# Altium PCB IF GAIN.PcbDoc (continued)
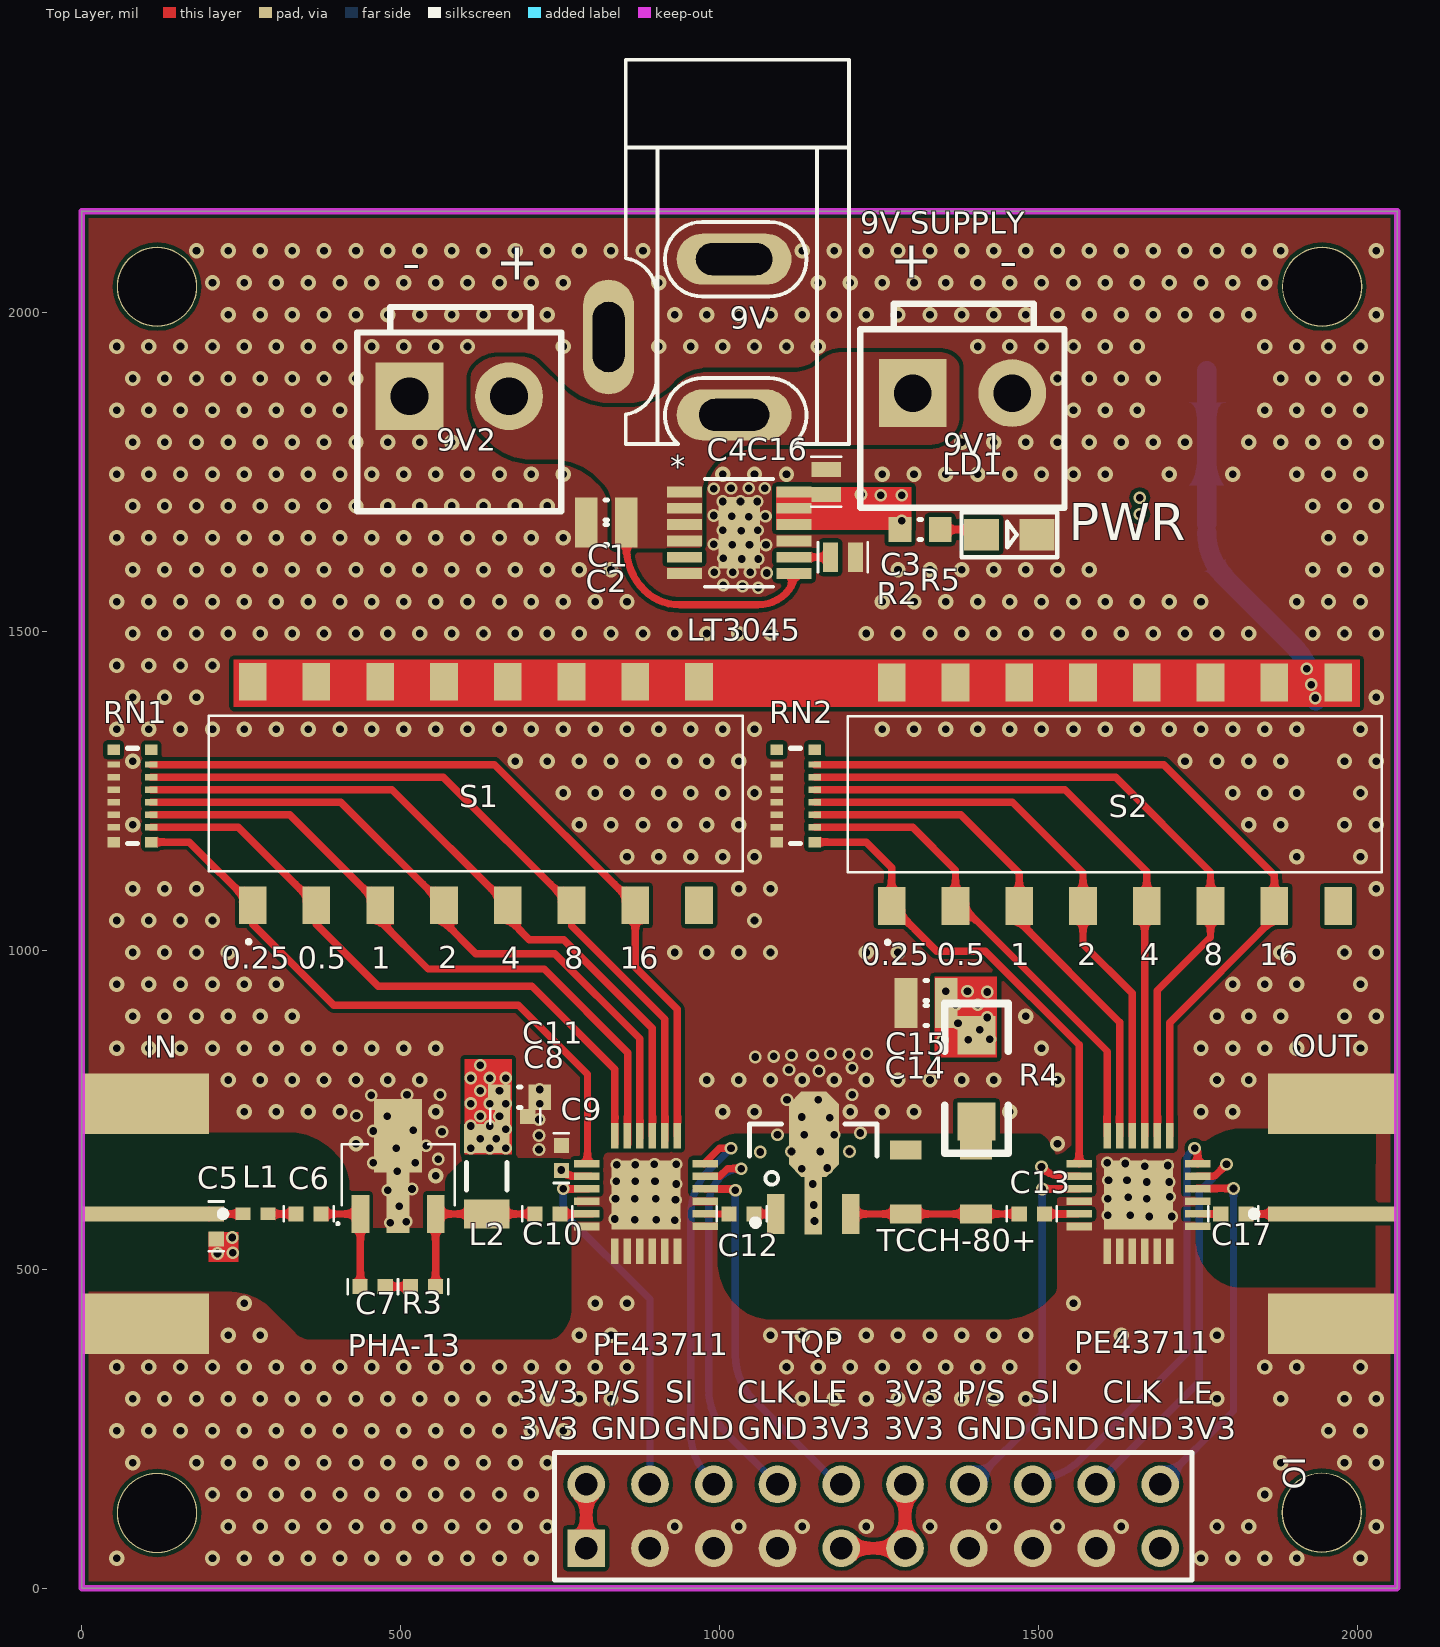
[diagram p0: Top Layer view]
## Footprints (in the part's own frame and the unit in brackets; to place one, negate y for a bottom-side part, rotate by r counter-clockwise, add the part's x,y. Pads: shape width x height; smd on the part's side, far side on the other; paste and mask are expansions set on the pad)
3.96 [mm] "接插件，25V/5A"
  rect 2.7x2.7 hole 1.5: 1(-1.98,0)
  round 2.7 hole 1.5: 2(1.982,0)
  silkscreen extent -4.06,-4.57 4.07,3.56, body extent -3.98,-4.4 4.03,4.16, height 10.5
0402#1 [mm]
  rect 0.6x0.6 smd: 1(0,0) 2(1,0)
  silkscreen extent -0.5,-0.3 1.5,0.3
0402#2 [mm] "Chip Capacitor, Body 1.0x0.5mm, IPC High Density"
  rect 0.6x0.5 smd: 1(-0.5,0) 2(0.5,0)
  body extent -0.55,-0.3 0.55,0.3, height 1.3
0603C [mm] "Chip Capacitor, Body 1.6x0.8mm, Height 1.0mm, IPC Medium Density"
  rect 0.9x1 smd: 1(-0.8,0) 2(0.8,0)
  silkscreen extent -0.05,-0.4 0.05,0.4, body extent -0.87,-0.47 0.88,0.48, height 1
0603R [mm] "Chip Resistor, Body 1.6x0.8mm, IPC Medium Density"
  rect 0.9x1 smd: 1(-0.8,0) 2(0.8,0)
  silkscreen extent -0.05,-0.4 0.05,0.4, body extent -0.85,-0.47 0.85,0.47, height 0.6
1206 [mil]
  rect 60x60 smd: 1(0,0) 2(135,0)
  silkscreen extent -50,-50 185,50
1206C [mm] "Chip Capacitor, Body 3.2x1.6mm, Height 1mm, IPC Medium Density"
  rect 1.15x1.8 smd: 1(-1.5,0) 2(1.5,0)
  silkscreen extent -0.55,-0.8 0.55,0.8, body extent -1.7,-0.9 1.7,0.9, height 1
AMS1117 [mil]
  oct 65x150 smd: 1(0.03,-0.06)
  oval 65x150 smd: 2(100.03,-0.06) 3(200.03,-0.06)
  rect 100x100 smd: 4(100.03,239.94)
  silkscreen extent -26,100 234,293
DC10B [mil]
  oval 80x180 hole 50 slot 110 at 90 deg: 1(419.09,170)
  oval 80x180 hole 50 slot 120 at 90 deg: 2(175,170)
  oval 180x80 hole 50 slot 110 at 0 deg: 3(297.05,-26.85)
  silkscreen extent -138,0 465,350
DM08VTR [mm]
  rect 1.1x1.5 smd: 1(-8.89,-4.45) 2(-6.35,-4.45) 3(-3.81,-4.45) 4(-1.27,-4.45) 5(1.27,-4.45) 6(3.81,-4.45) 7(6.35,-4.45) 8(8.89,-4.45) 9(8.89,4.45) 10(6.35,4.45) 11(3.81,4.45) 12(1.27,4.45) 13(-1.27,4.45) 14(-3.81,4.45) 15(-6.35,4.45) 16(-8.89,4.45)
  silkscreen extent -10.63,-5.95 10.63,3.1
EXB2HV101JV [mm]
  rect 0.425x0.5 smd: 1(-1.838,-0.75) 8(1.838,-0.75) 9(1.838,0.75) 16(-1.838,0.75)
  rect 0.25x0.5 smd: 2(-1.25,-0.75) 3(-0.75,-0.75) 4(-0.25,-0.75) 5(0.25,-0.75) 6(0.75,-0.75) 7(1.25,-0.75) 10(1.25,0.75) 11(0.75,0.75) 12(0.25,0.75) 13(-0.25,0.75) 14(-0.75,0.75) 15(-1.25,0.75)
  silkscreen extent -1.9,-0.2 1.9,0.2, body extent -2.01,-0.98 2.01,0.98, height 0.65
GU1604 [mil]
  rect 30x50 smd: 1(-50,55) 2(50,55) 3(50,-55) 4(-50,-55)
HDR2X10 [mm] "Connector; Header; 10x2 Position"
  rect 1.5x1.5 hole 0.9: 1(0,0)
  round 1.5 hole 0.9: 2(0,2.54) 3(2.54,0) 4(2.54,2.54) 5(5.08,0) 6(5.08,2.54) 7(7.62,0) 8(7.62,2.54) 9(10.16,0) 10(10.16,2.54) 11(12.7,0) 12(12.7,2.54) 13(15.24,0) 14(15.24,2.54) 15(17.78,0) 16(17.78,2.54) 17(20.32,0) 18(20.32,2.54) 19(22.86,0) 20(22.86,2.54)
  silkscreen extent -1.27,-1.27 24.13,3.81
MSOP12-MSE-RevG_ADI [mm]
  rect 1.393x0.431 smd paste+0 mask+0: 1(-2.185,1.625) 2(-2.185,0.975) 3(-2.185,0.325) 4(-2.185,-0.325) 5(-2.185,-0.975) 6(-2.185,-1.625) 7(2.185,-1.625) 8(2.185,-0.975) 9(2.185,-0.325) 10(2.185,0.325) 11(2.185,0.975) 12(2.185,1.625)
  rect 1.651x2.845 smd paste-1.41 mask+0: EPAD(0,0)
  silkscreen extent -1.36,-2.15 1.36,2.15, body extent 0,0 0.25,0.25, height 0.25
PE43711 [mm] "5V"
  rect 1.016x0.3 smd: 1(-2.362,1.245) 2(-2.362,0.75) 3(-2.362,0.25) 4(-2.362,-0.25) 5(-2.362,-0.75) 6(-2.362,-1.25) 13(2.362,-1.245) 14(2.357,-0.75) 15(2.357,-0.25) 16(2.357,0.25) 17(2.357,0.75) 18(2.357,1.25)
  rect 0.3x1.016 smd: 7(-1.25,-2.235) 8(-0.75,-2.235) 9(-0.25,-2.235) 10(0.25,-2.235) 11(0.75,-2.235) 12(1.25,-2.235) 19(1.245,2.362) 20(0.75,2.362) 21(0.25,2.362) 22(-0.25,2.362) 23(-0.75,2.362) 24(-1.25,2.362)
  rect 2.75x2.75 smd: pad(0,0)
PHA13LN [mm]
  rect 0.71x1.5 smd: 1(-1.5,-1.56) 3(1.5,-1.56)
  rect 0.91x2.5 smd: 2(0,-1.06)
  rect 1.91x2.92 smd: 4(0,1.56)
  silkscreen extent -2.45,-2 2.25,1.22, body extent -2.25,-1.22 2.25,1.22, height 1.7
SMA [mil]
  rect 200x24 smd: 1(-96,5)
  rect 200x95 smd: 2(-96,-167.5) 2(-96,177.5)
  rect 200x95 smd far side: 2(-96,-167.5) 2(-96,177.5) 2(-96,177.5)
  silkscreen extent 21,0 31,10, body extent -571,-183 -9,192, height 171
SMDLED [mm]
  rect 1.4x1.27 smd: 1(0.001,-0.002) 2(2.211,-0.002)
  silkscreen extent -0.8,-0.89 3.01,0.89
SOT89_M [mm] "4.6x4.3x1.6mm(长宽高)"
  rect 0.7x1.6 smd: 1(-1.5,-2.054) 3(1.5,-2.054)
  rect 0.7x2.4 smd: 2(0,-1.676)
  oct 2x3.4 smd: 2(0.025,1.118)
  silkscreen extent -2.54,-2.52 2.54,1.52, body extent -2.3,-2.4 2.3,1.9, height 1.6

## Part data
AMS-3V3: library part AMS1117
C1 C2 C3 C4 C5 C6 C7 C8 C9 C10 C11 C12 C13 C14 C15 C16 C17: library part C, "Capacitor"
IN OUT: "SMA Connector"
IO: "Header, 10-Pin, Dual row", LatestRevisionDate=17-Jul-2002, LatestRevisionNote="Re-released for DXP Platform.", Publisher="Altium Limited"
L1 L2: library part Inductor, "Inductor", Published=8-Jun-2000, Publisher="Altium Limited", Revision="July-2002: Re-released for DXP Platform."
LD1: "Typical RED, GREEN, YELLOW, AMBER GaAs LED", PackageDocument=Feb-2002, LatestRevisionDate=17-Jul-2002, LatestRevisionNote="Re-released for DXP Platform.", PackageReference=3.2X1.6X1.1, Published=8-Jun-2000, Publisher="Altium Limited"
LT3045: "No Description Available", Built_By=SunStream, Copyright="Copyright (C) 2018 Accelerated Designs. All rights reserved", Manufacturer_Part_Number=LT3045EMSE, RefDes=RefDes, SourceLibrary=Analog_Devices_Inc_2020-09-15, Type=DEV, Vendor="Analog Devices Inc"
PHA-13: "Integrated Circuit", Manufacturer_Name=Mini-Circuits, Mouser Part Number=139-PHA-13LN, Datasheet Link=https://www.minicircuits.com/pdfs/PHA-13LN+.pdf, Height=1.6mm, Manufacturer_Part_Number=PHA-13LN+, Mouser Price/Stock=https://www.mouser.co.uk/ProductDetail/Mini-Circuits/PHA-13LN%2b?qs=xZ%2FP%252Ba9zWqYkwnUBoTp7PQ%3D%3D
R2 R3 R4 R5: library part Resistor, "Resistor"
RN1 RN2: "Resistor Network", Manufacturer_Name=Panasonic, Mouser Part Number=667-EXB-2HV101JV, Arrow Part Number=EXB-2HV101JV, Arrow Price/Stock=https://www.arrow.com/en/products/exb-2hv101jv/panasonic, Datasheet Link=https://industrial.panasonic.com/cdbs/www-data/pdf/AOC0000/AOC0000C14.pdf, Height=0.55mm, Manufacturer_Part_Number=EXB-2HV101JV, Mouser Price/Stock=https://www.mouser.co.uk/ProductDetail/Panasonic/EXB-2HV101JV?qs=oE3VwAv%2FYtkI4Sp%252Bk267NQ%3D%3D
S1 S2: "Switch", Manufacturer_Name=Diptronics, Manufacturer_Part_Number=DM-08-V-T/R, Datasheet Link=http://www.dip.com.tw/en/en-product-information/en-switch002/item/download/2412_2ffa0571076f7652f42c65d9d72a148c, Height=3.15mm

## Free pads (board coordinates)
  round 125.98 hole 122.05: 6(118.11,118.11) 6(118.11,2040.89) 6(1944.39,118.61) 6(1944.89,2040.89)

## Via types
v1: diameter 24, hole 12, Top Layer to Bottom Layer, tented both sides, 681 vias
v2: diameter 20, hole 12, Top Layer to Bottom Layer, tented both sides, 164 vias

## Nets (pads, with @x,y where several pads share a name; then routed paths per layer and width w, separated by ;. In a path a pad name is that pad's centre, name@x,y a point inside that pad or via, vN(x,y) a via of type N, cw(c..) or ccw(c..) an arc to the next point about the centre after c; other vN are vias at no path point)
3V3: AMS-3V3.2 AMS-3V3.4 IO.1 IO.2 IO.9 IO.11 IO.12 IO.19 S1.9 S1.10 S1.11 S1.12 S1.13 S1.14 S1.15 S1.16 S2.9 S2.10 S2.11 S2.12 S2.13 S2.14 S2.15 S2.16 | length 3553.2
  Top Layer w20: IO.1 IO.2 ; IO.9 IO.11 IO.12
  PWR w20: IO.2 791,222.59 792.59,222.59 795,225 1290,225 ; IO.12 1291,222.59 ccw(c1287.59,222.59) 1290,225 ; IO.19@1695,65 1850,220 ; 1852.93,225 1837.93,225 ; v2(1921,1442) cw(c1887.2,1408.2) 1935,1408.2 1935,346.42 cw(c1835,346.42) 1905.71,275.71 1850,220 ; 1290,225 1837.93,225 ; 1837.93,225 cw(c1837.93,207.93) 1850,220
  Bottom Layer w20: AMS-3V3.2@1764,1655.42 AMS-3V3.2
  Bottom Layer w30: AMS-3V3.2@1764,1655.42 ccw(c1864,1655.42) 1793.29,1584.71 1898.23,1479.77 cw(c1809.46,1391) v2@1935,1391 ; AMS-3V3.2 AMS-3V3.4
  other v2: 1934,1396 1928,1417
5V: AMS-3V3.3 C4.2 C8.2 C9.2 C11.1 C14.1 C15.1 C16.1 L2.2 LT3045.10 LT3045.11 LT3045.12 PE43711.2 R4.1 R5.2 | length 2713.5
  Top Layer w11.55: C11.1@751,655 ccw(c772.59,676.59) 772.59,646.06 792,646.06 PE43711.2@798,646.06 ; v2@1506,659 ccw(c1537.25,690.25) 1537.25,646.06 PE43711.2@1564,646.06
  PWR w11.55: v2(752,656) 752,832.93 731,853.93 765,887.93 cw(c782.07,887.93) 770,900 ; 1390,895 v2(1424,861) 1475.71,809.29 cw(c1405,738.58) 1505,738.58 v2(1505,661) ; 1405,895 1412.5,887.5
  PWR w100: 637.5,832.5 715,910 1157.66,913.63 ; 1160,910 cw(c1167.24,917.24) 1157.66,913.63 ; 1390,905 1388.34,906.86 1382,914 1371.98,913.26 1370.14,913.12 1356.77,912.13 1355,912 1188,912 1157.66,913.63 ; 1652,1672 1157,1672 1157,917.24 ccw(c1167.24,917.24) 1157.66,913.63
  other v2: 610,690 640,690 665,690 625,705 650,705 665,720 610,725 640,725 625,740 655,740 610,760 640,760 665,760 625,780 655,780 610,800 640,800 665,800 625,820 1350,860 1390,860 1408,876 1374,886 1420,895 1370,915 1405,915 1420,935 1355,936 1389,936 1286,1674 1659,1684 1659,1710 1253,1714 1286,1714 1222,1715
C0.5-1: PE43711.24@835.79,709.53 RN1.2 S1.2 | length 1018.5
  Top Layer w11.55: RN1.2 245.65,1193.15 S1.2 368,1041 465,944 706,944 836,814 PE43711.24@836,697
C0.5-2: PE43711.24@1607.79,709.53 RN2.2 S2.2 | length 769
  Top Layer w11.55: RN2.2 1302.85,1193.15 1370,1126 S2.2 1380.2,1069.8 1607.59,842.41 ; PE43711.24@1607.79,709.53 1607.79,841.79
C0.25-1: PE43711.1@792,665.53 RN1.1 S1.1 | length 993.4
  Top Layer w11.55: RN1.1 168.8,1170 S1.1 268,1041 395,914 685,914 793,806 793,669 PE43711.1@796,666
C0.25-2: PE43711.1@1564,665.53 RN2.1 S2.1 | length 771.1
  Top Layer w11.55: RN2.1 1230,1170 1270,1130 S2.1 1340.8,999 1417,999 1563,853 ; PE43711.1@1564,665.53 1564,850.59 ; 1563,853 cw(c1560.59,850.59) 1564,850.59 ; 1563,853 1564,852 1564,850.59
C1-1: PE43711.23@855.47,709.53 RN1.3 S1.3 | length 1059.9
  Top Layer w11.55: RN1.3 325.97,1212.83 S1.3 468,1046 543,971 725,971 856,840 PE43711.23@856,696
C1-2: PE43711.23@1627.47,709.53 RN2.3 S2.3 | length 835.6
  Top Layer w11.55: RN2.3 1378.17,1212.83 1470,1121 S2.3 1470,1045 1627,888 cw(c1625.86,886.86) 1627.47,886.86 PE43711.23@1627.47,709.53
C2-1: PE43711.22@875.16,709.53 RN1.4 S1.4 | length 1090.5
  Top Layer w11.55: RN1.4 406.28,1232.52 S1.4 568,1045 618,995 742,995 875,862 PE43711.22@875,706
C2-2: PE43711.22@1647.16,709.53 RN2.4 S2.4 | length 911.3
  Top Layer w11.55: RN2.4 1459.48,1232.52 1570,1122 S2.4 1570,1010 1646.96,933.04 ; 1646,933 cw(c1643.21,930.21) 1647.16,930.21 PE43711.22@1647.16,709.53
C4-1: PE43711.21@894.84,709.53 RN1.5 S1.5 | length 1120.4
  Top Layer w11.55: RN1.5 486.6,1252.2 S1.5 668,1051 702,1017 756,1017 894.65,878.35 ; PE43711.21@894.84,709.53 894.84,877.84
C4-2: PE43711.21@1666.84,709.53 RN2.5 S2.5 | length 991.3
  Top Layer w11.55: RN2.5 1541.8,1252.2 1670,1124 S2.5 S2.5@1666.65,1066.45 ; PE43711.21@1666.84,709.53 1666.84,1059.38 cw(c1677.62,1059.38) S2.5@1670,1067
C8-1: PE43711.20@914.53,709.53 RN1.6 S1.6 | length 1171.3
  Top Layer w11.55: RN1.6 566.91,1271.89 S1.6 768,1039 914.33,892.67 PE43711.20@914.33,702.33
C8-2: PE43711.20@1686.53,709.53 RN2.6 S2.6 | length 1130.6
  Top Layer w11.55: RN2.6 1621.11,1271.89 1770,1123 S2.6 1770,1021 1686.33,937.33 ; 1686,937 cw(c1684.73,935.73) 1686.53,935.73 PE43711.20@1686.53,709.53
C16-1: PE43711.19@934,709.53 RN1.7 S1.7 | length 1238
  Top Layer w11.55: RN1.7 647.23,1291.57 S1.7 868,974 934.02,907.98 ; PE43711.19@934,709.53 934,907
C16-2: PE43711.19@1706,709.53 RN2.7 S2.7 | length 1269.2
  Top Layer w11.55: RN2.7 1696.43,1291.57 1870,1118 S2.7 1870,1051 1706.02,887.02 PE43711.19@1706,709.53
CLK-1: IO.8 PE43711.17@977.8,646.06 | length 635
  Top Layer w11.55: PE43711.17@977.8,646.06 983.06,646.06 983.11,646 1000.62,646 1012.62,658 v2(1034,658)
  Bottom Layer w11.55: v2@1032,660 v2(1034,658) ccw(c1034,612.13) 1001.56,644.56 ccw(c1046.38,599.75) 983,599.75 983,312.42 ccw(c1083,312.42) 1012.29,241.71 IO.8 1095.29,158.71 ccw(c1097,160.41) IO.8@1097,158
CLK-2: IO.18 PE43711.17@1749.8,646.06 | length 639.2
  Top Layer w11.55: PE43711.17@1749.8,646.06 1773.3,646.06 ccw(c1773.3,652.7) 1778,648 ; 1778.06,648.06 v2(1795,665)
  Bottom Layer w11.55: IO.18 1752,324 1752,622 v2(1795,665)
GND: 9V1.2 9V2.1 9V.2 9V.3 AMS-3V3.1 C1.2 C2.2 C3.1 C4.1 C5.1 C8.1 C9.1 C11.2 C14.2 C15.2 C16.2 IN.2 IO.3 IO.5 IO.7 IO.13 IO.15 IO.17 LD1.2 LT3045.6 LT3045.9 LT3045.EPAD OUT.2 PE43711.4 PE43711.6 PE43711.7 PE43711.8 PE43711.9 PE43711.10 PE43711.11 PE43711.12 PE43711.13 PE43711.15 PE43711.pad PHA-13.2 PHA-13.4 R2.1 RN1.10 RN1.11 RN1.12 RN1.13 RN1.14 RN1.15 RN1.16 RN2.10 RN2.11 RN2.12 RN2.13 RN2.14 RN2.15 RN2.16 TQP.2
  other v1: 55,47 205,47 255,47 305,47 355,47 405,47 455,47 505,47 555,47 605,47 655,47 705,47 1755,47 1805,47 1855,47 1905,47 2005,47 230,97 280,97 330,97 380,97 430,97 480,97 530,97 580,97 630,97 680,97 730,97 930,97 1030,97 1130,97 1230,97 1330,97 1430,97 1530,97 1630,97 1780,97 1830,97 2030,97 205,147 255,147 305,147 355,147 405,147 455,147 505,147 555,147 605,147 655,147 705,147 1855,147 80,197 180,197 230,197 280,197 330,197 380,197 430,197 480,197 530,197 580,197 630,197 680,197 730,197 1880,197 1980,197 2030,197 55,247 105,247 155,247 205,247 255,247 305,247 355,247 405,247 455,247 505,247 555,247 605,247 655,247 705,247 755,247 1955,247 2005,247 80,297 130,297 180,297 230,297 280,297 330,297 380,297 430,297 480,297 530,297 580,297 630,297 680,297 730,297 780,297 830,297 1130,297 1180,297 1230,297 1280,297 1330,297 1380,297 1430,297 1480,297 1780,297 1880,297 1980,297 2030,297 55,347 105,347 155,347 205,347 255,347 305,347 355,347 405,347 455,347 505,347 555,347 605,347 655,347 705,347 755,347 805,347 855,347 1105,347 1155,347 1205,347 1255,347 1305,347 1355,347 1405,347 1455,347 1555,347 1855,347 1905,347 2005,347 230,397 280,397 780,397 830,397 1080,397 1130,397 1180,397 1230,397 1280,397 1330,397 1380,397 1430,397 1480,397 1630,397 1780,397 255,447 805,447 855,447 1555,447 555,647 430,697 1530,697 255,747 305,747 355,747 405,747 555,747 1005,747 1055,747 1205,747 1255,747 1305,747 1455,747 1755,747 1805,747 230,797 280,797 330,797 380,797 430,797 480,797 530,797 980,797 1030,797 1080,797 1130,797 1180,797 1230,797 1280,797 1330,797 1380,797 1430,797 1530,797 1780,797 1830,797 55,847 105,847 155,847 205,847 255,847 305,847 355,847 405,847 455,847 505,847 555,847 1505,847 1755,847 1805,847 1855,847 1905,847 2005,847 80,897 130,897 180,897 230,897 280,897 330,897 1480,897 1780,897 1830,897 1880,897 1980,897 2030,897 55,947 105,947 155,947 205,947 255,947 305,947 1805,947 1855,947 1905,947 2005,947 80,997 130,997 180,997 230,997 930,997 980,997 1030,997 1080,997 1230,997 1280,997 1880,997 1980,997 2030,997 55,1047 105,1047 155,1047 205,1047 1055,1047 80,1097 130,1097 180,1097 1030,1097 1080,1097 2030,1097 855,1147 905,1147 955,1147 1005,1147 1055,1147 1905,1147 2005,1147 80,1197 780,1197 830,1197 880,1197 930,1197 980,1197 1030,1197 1830,1197 1880,1197 1980,1197 2030,1197 755,1247 805,1247 855,1247 905,1247 955,1247 1005,1247 1055,1247 1805,1247 1855,1247 1905,1247 2005,1247 80,1297 680,1297 730,1297 780,1297 830,1297 880,1297 930,1297 980,1297 1030,1297 1730,1297 1780,1297 1830,1297 1880,1297 1980,1297 2030,1297 55,1347 105,1347 155,1347 205,1347 255,1347 305,1347 355,1347 405,1347 455,1347 505,1347 555,1347 605,1347 655,1347 705,1347 755,1347 805,1347 855,1347 905,1347 955,1347 1005,1347 1055,1347 1255,1347 1305,1347 1355,1347 1405,1347 1455,1347 1505,1347 1555,1347 1605,1347 1655,1347 1705,1347 1755,1347 1805,1347 1855,1347 1905,1347 2005,1347 80,1397 130,1397 180,1397 2030,1397 55,1447 105,1447 155,1447 205,1447 80,1497 130,1497 180,1497 230,1497 280,1497 330,1497 380,1497 430,1497 480,1497 530,1497 580,1497 630,1497 680,1497 730,1497 780,1497 830,1497 880,1497 930,1497 980,1497 1030,1497 1080,1497 1230,1497 1280,1497 1330,1497 1380,1497 1430,1497 1480,1497 1530,1497 1580,1497 1630,1497 1680,1497 1730,1497 1780,1497 1830,1497 1930,1497 1980,1497 2030,1497 55,1547 105,1547 155,1547 205,1547 255,1547 305,1547 355,1547 405,1547 455,1547 505,1547 555,1547 605,1547 655,1547 705,1547 755,1547 805,1547 855,1547 1255,1547 1305,1547 1355,1547 1405,1547 1455,1547 1505,1547 1555,1547 1605,1547 1655,1547 1705,1547 1755,1547 1905,1547 1955,1547 2005,1547 80,1597 130,1597 180,1597 230,1597 280,1597 330,1597 380,1597 430,1597 480,1597 530,1597 580,1597 630,1597 680,1597 730,1597 780,1597 830,1597 1280,1597 1330,1597 1380,1597 1430,1597 1480,1597 1530,1597 1580,1597 1930,1597 1980,1597 2030,1597 55,1647 105,1647 155,1647 205,1647 255,1647 305,1647 355,1647 405,1647 455,1647 505,1647 555,1647 605,1647 655,1647 705,1647 755,1647 1955,1647 2005,1647 80,1697 130,1697 180,1697 230,1697 280,1697 330,1697 380,1697 430,1697 480,1697 530,1697 580,1697 630,1697 680,1697 730,1697 1930,1697 1980,1697 2030,1697 55,1747 105,1747 155,1747 205,1747 255,1747 305,1747 355,1747 405,1747 455,1747 505,1747 555,1747 605,1747 655,1747 705,1747 755,1747 1005,1747 1055,1747 1105,1747 1255,1747 1305,1747 1355,1747 1405,1747 1455,1747 1505,1747 1555,1747 1605,1747 1705,1747 1805,1747 1905,1747 1955,1747 2005,1747 80,1797 130,1797 180,1797 230,1797 280,1797 330,1797 380,1797 430,1797 480,1797 530,1797 580,1797 1380,1797 1430,1797 1480,1797 1530,1797 1580,1797 1630,1797 1680,1797 1730,1797 1830,1797 1880,1797 1930,1797 1980,1797 2030,1797 55,1847 105,1847 155,1847 205,1847 255,1847 305,1847 355,1847 405,1847 1555,1847 1605,1847 1655,1847 1855,1847 1905,1847 1955,1847 2005,1847 80,1897 130,1897 180,1897 230,1897 280,1897 330,1897 380,1897 430,1897 1530,1897 1580,1897 1630,1897 1680,1897 1880,1897 1930,1897 1980,1897 2030,1897 55,1947 105,1947 155,1947 205,1947 255,1947 305,1947 355,1947 405,1947 455,1947 505,1947 555,1947 605,1947 755,1947 905,1947 955,1947 1005,1947 1055,1947 1105,1947 1155,1947 1405,1947 1455,1947 1505,1947 1555,1947 1605,1947 1655,1947 1855,1947 1905,1947 1955,1947 2005,1947 230,1997 280,1997 330,1997 380,1997 430,1997 480,1997 530,1997 580,1997 630,1997 680,1997 730,1997 930,1997 980,1997 1030,1997 1080,1997 1130,1997 1180,1997 1230,1997 1280,1997 1330,1997 1380,1997 1430,1997 1480,1997 1530,1997 1580,1997 1630,1997 1680,1997 1730,1997 1780,1997 1830,1997 2030,1997 205,2047 255,2047 305,2047 355,2047 405,2047 455,2047 505,2047 555,2047 605,2047 655,2047 705,2047 755,2047 905,2047 1155,2047 1205,2047 1255,2047 1305,2047 1355,2047 1405,2047 1455,2047 1505,2047 1555,2047 1605,2047 1655,2047 1705,2047 1755,2047 1805,2047 1855,2047 180,2097 230,2097 280,2097 330,2097 380,2097 430,2097 480,2097 530,2097 580,2097 630,2097 680,2097 730,2097 780,2097 830,2097 880,2097 1130,2097 1180,2097 1230,2097 1280,2097 1330,2097 1380,2097 1430,2097 1480,2097 1530,2097 1580,2097 1630,2097 1680,2097 1730,2097 1780,2097 1830,2097 1880,2097 2030,2097
  other v2: 213,525 237,526 236,550 484,573 509,575 1149,576 930,577 867,578 901,578 836,579 1674,583 1709,583 1609,585 1644,585 498,599 1148,601 931,609 837,611 867,611 900,611 1609,611 1670,611 1641,613 1706,614 480,624 518,626 932,634 1146,634 1670,637 1705,637 838,638 868,638 899,638 1610,640 1639,640 495,654 1129,658 1169,659 1667,662 1703,663 839,664 868,664 898,665 932,665 1636,666 457,667 523,667 1608,667 559,673 1064,684 1113,685 1158,685 1204,685 717,688 493,690 540,694 717,710 1091,711 1133,711 1180,711 1221,714 565,716 457,717 520,718 717,735 1173,738 1129,739 479,740 431,741 718,760 1106,766 1155,766 454,773 510,774 562,774 1208,774 718,782 1156,811 1109,813 1208,816 1056,833 1085,834 1113,836 1146,836 1203,837 1174,838 1231,838 1061,1569 1036,1571 1006,1573 1074,1592 992,1593 1021,1593 1048,1593 1035,1614 1061,1614 1006,1615 1020,1636 1047,1636 1073,1636 991,1637 1034,1658 1005,1659 1060,1659 1046,1680 1019,1681 1072,1681 991,1682 1005,1704 1033,1704 1059,1704 991,1724 1018,1725 1046,1725 1071,1725
LE-1: IO.10 PE43711.16@977.8,626.37 | length 575.7
  Top Layer w11.55: PE43711.16@977.8,626.37 1022.63,626.37 v2(1025,624)
  Bottom Layer w11.55: v2(1025,624) 1025,365.42 ccw(c1125,365.42) 1038.15,315.85 ccw(c1125,365.42) 1054.29,294.71 1183.88,165.12 ccw(c1189,170.24) IO.10@1189,163 ; IO.10@1190,164 IO.10
LE-2: IO.20 PE43711.16@1749.8,626.37 | length 568.6
  Top Layer w11.55: PE43711.16@1749,627 v2(1806,627)
  Bottom Layer w11.55: IO.20 1806,278 v2(1806,627)
Net9V1_1: 9V1.1 9V2.2 9V.1 C1.1 C2.1 LT3045.1 LT3045.2 LT3045.3 LT3045.4 LT3045.7 | length 342.6
  Top Layer w11.55: C2.1@853.99,1632.62 ccw(c949.62,1632.62) 882,1565 ccw(c937.53,1620.53) 937.53,1542 1060.13,1542 ccw(c1060.13,1604.47) 1104.3,1560.3 ccw(c1073.57,1591.02) LT3045.7
NetC3_2: C3.2 LT3045.8 R2.2 | length 45.6
  Top Layer w11.55: LT3045.8 R2.2@1162.61,1616.61
NetC5_2: C5.2 IN.1 L1.1 | length 153
  Top Layer w11.55: IN.1 C5.2 L1.1
NetC6_1: C6.1 C7.2 PHA-13.1 | length 175.3
  Top Layer w11.55: C6.1 PHA-13.1 C7.2@437,473.37
NetC6_2: C6.2 L1.2 | length 43.6
  Top Layer w11.55: L1.2 C6.2
NetC7_1: C7.1 R3.1 | length 39.6
  Top Layer w11.55: C7.1 R3.1
NetC10_2: C10.2 L2.1 PHA-13.3 R3.2 | length 269.4
  Top Layer w11.55: R3.2 PHA-13.3@555,586.89 ; PHA-13.3 L2.1 C10.2
NetC12_2: C12.2 TQP.1 | length 33.6
  Top Layer w11.55: C12.2 TQP.1
NetC13_1: C13.1 TCCH-80+.1 TCCH-80+.4 TQP.3 | length 263.9
  Top Layer w11.55: TQP.3 TCCH-80+.1 TCCH-80+.4 C13.1
NetC17_1: C17.1 PE43711.14@1749.8,587 | length 34.1
  Top Layer w11.55: PE43711.14@1751.95,587 C17.1
NetC17_2: C17.2 OUT.1 | length 134.6
  Top Layer w11.55: C17.2 OUT.1
NetLD1_1: LD1.1 R5.1 | length 67.1
  Top Layer w11.55: R5.1 1391.69,1660 cw(c1391.69,1632.69) LD1.1
NetR4_2: R4.2 TCCH-80+.3
OUT1: C10.1 PE43711.5@792,587 | length 51
  Top Layer w11.55: C10.1 792,587 PE43711.5@801,587
OUT2: C12.1 PE43711.14@977.8,587 | length 25.2
  Top Layer w11.55: PE43711.14@977.8,587 1003,587
OUT3: C13.2 PE43711.5@1564,587 | length 52.3
  Top Layer w11.55: C13.2 PE43711.5@1561.66,587
P/S-1: IO.4 PE43711.3@792,626.37 | length 567.1
  Top Layer w11.55: v2@751.63,628.37 753.25,630 v2@755,630 ; v2(755,626.37) 792,626.37 PE43711.3@794.69,626.37
  Bottom Layer w11.55: v2@755,630 v2(755,626.37) 755,589 891,453 IO.4
P/S-2: IO.14 PE43711.3@1564,626.37 | length 572.6
  Top Layer w11.55: v2@1504.37,626.37 PE43711.3@1564,626.37
  Bottom Layer w11.55: IO.14 1395,163 1506,274 v2(1506,626)
SI-1: IO.6 PE43711.18@977.8,665.74 | length 610.8
  Top Layer w11.55: PE43711.18@975.74,665.74 1000,690 v2(1018,690)
  Bottom Layer w11.55: IO.6@982.79,171.21 IO.6 ; IO.6@984.29,172.71 cw(c1055,243.42) 955,243.42 955,585.58 cw(c1055,585.58) 984.29,656.29 v2(1018,690)
SI-2: IO.16 PE43711.18@1749.8,665.74 | length 682.5
  Top Layer w11.55: v2@1747,690 cw(c1740.23,683.23) 1749.8,683.23 PE43711.18@1749.8,665.74
  Bottom Layer w11.55: IO.16@1479,171 cw(c1481.41,168.59) 1481.41,172 1494.58,172 ccw(c1494.58,272) 1497.03,172.03 ccw(c1494.58,272) 1565.29,201.29 1733,369 1733,678 v2(1745,690)
pads on no net: LT3045.5 RN1.8 RN1.9 RN2.8 RN2.9 S1.8 S2.8 TCCH-80+.2

## Polygon pours and split planes (outlines as drawn)
Net9V1_1 on Top Layer "Top Layer-No Net" (solid, remove dead copper, pour order 0): 1345.86,1938 cw(c1345.86,1903.86) 1370,1928 cw(c1355.51,1913.51) 1376,1913.51 1376,1836.97 cw(c1335.03,1836.97) 1364,1808 cw(c1327.79,1844.21) 1327.79,1793 1053.94,1793 ccw(c1053.94,1711.06) 996,1769 992.8,1765.8 ccw(c1040.6,1718) 973,1718 973,1637.83 cw(c966.17,1637.83) 971,1633 cw(c966.17,1637.83) 966.17,1631 840.24,1631 cw(c840.24,1641.24) 833,1634 cw(c837.83,1638.83) 831,1638.83 831,1699.2 ccw(c783.2,1699.2) 817,1733 809.29,1740.71 ccw(c738.58,1670) 738.58,1770 704,1770 cw(c704,1859.33) 640.84,1796.16 632,1805 cw(c685.11,1858.11) 610,1858.11 610,1895.27 cw(c640.73,1895.27) 619,1917 cw(c652.8,1883.2) 652.8,1931 691,1931 cw(c691,1897.2) 714.9,1921.1 754.71,1881.29 ccw(c825.42,1952) 825.42,1852 858,1852 ccw(c858,1950.98) 927.99,1880.99 935,1888 cw(c980.87,1842.13) 980.87,1907 1116.96,1907 ccw(c1116.96,1965.04) 1158,1924 cw(c1191.8,1890.2) 1191.8,1938
GND on Top Layer "Top Layer-No Net" (solid, remove dead copper, pour order 2): 0,2160 2065,2160 2065,0 0,0
GND on Bottom Layer "Top Layer-No Net" (solid, remove dead copper, pour order 4): 0,2160 2065,2160 2065,0 0,0
GND on PWR "Top Layer-No Net" (solid, remove dead copper, pour order 6): 0,2160 2065,2160 2065,0 0,0
GND on GND (split plane): 2042.9,20.1 20.1,20.1 20.1,2138.9 2042.9,2138.9

## Keep-outs
Keep-Out Layer:
  lines w10: 0,0 0,6 0,816 0,2159 2063,2159 2063,1 2062,0 0,0

## Other copper
Top Layer:
  rectangle net 3V3: 238,1382 2004,1456
  rectangle net 5V: 1089,1659 1301,1727
  rectangle net 5V: 600,680 675,830
  rectangle net 5V: 1337,832 1435,959
  rectangle net GND: 199,512 246,559
  pour cut-out: 10,715 323.58,715 cw(c323.58,615) 394.29,685.71 400,680 cw(c351.72,631.72) 420,631.72 420,576.42 cw(c320,576.42) 390.71,505.71 379.29,494.29 cw(c308.58,565) 308.58,465 0,465
  pour cut-out: 415,555 ccw(c415,518.79) 389.39,544.39 310,465 310,460.36 ccw(c395.36,460.36) 335,400 ccw(c359.14,424.14) 359.14,390 583.58,390 ccw(c583.58,490) 654.29,419.29 655,420 ccw(c606.72,468.28) 675,468.28 675,494.64 ccw(c589.64,494.64) 650,555 ccw(c625.86,530.86) 625.86,565 417.07,565 ccw(c417.07,547.93) 405,560
  pour cut-out: 235,465 cw(c235,380.5) 294.75,440.25 340,395 cw(c376.21,431.21) 325,431.21 325,520
  pour cut-out: 569,623 569,634.1 cw(c592.9,634.1) 576,651 591.51,666.51 cw(c612,646.03) 612,675 743.03,675 cw(c743.03,634.03) 772,663 cw(c759.93,650.93) 777,650.93 777,596.73 cw(c746.27,596.73) 768,575 768,439.04 cw(c709.96,439.04) 751,398 cw(c731.69,417.31) 731.69,390 593,390
  pour cut-out: 832,683 825.83,683 ccw(c825.83,676.17) 821,681 ccw(c828.24,673.76) 818,673.76 818,669 cw(c818,693.14) 800.93,676.07 791,686
  pour cut-out: 1033,675 1026.29,668.29 ccw(c1097,597.58) 997,597.58 997,515.42 ccw(c1097,515.42) 1026.29,444.71 1027,444 ccw(c1080.11,497.11) 1080.11,422 1444.58,422 ccw(c1444.58,522) 1515.29,451.29 1524,460 ccw(c1511.93,472.07) 1529,472.07 1529,631.44 ccw(c1491.44,631.44) 1518,658 1515.14,660.86 ccw(c1481,626.72) 1481,675
  pour cut-out: 2029.72,721 1819.9,721 ccw(c1819.9,628.82) 1754.72,694 ccw(c1776.44,672.27) 1745.72,672.27 1745.72,551.36 ccw(c1831.07,551.36) 1770.72,491 ccw(c1819,539.28) 1819,471 2028.72,471
  pour cut-out: 1529,658 1529,660.72 ccw(c1460.72,660.72) 1509,709 ccw(c1499.34,699.34) 1499.34,713 1026.97,713 ccw(c1026.97,672.03) 998,701 998,550 1515.93,550 cw(c1515.93,532.93) 1528,545
  pour cut-out: 1602,683 ccw(c1592.34,673.34) 1592.34,687 1586,687 1586,680.66 ccw(c1599.66,680.66) 1590,671 1590,675.17 cw(c1596.83,675.17) 1592,680 cw(c1599.24,672.76) 1599.24,683
  pour cut-out: 1610,683 1701.93,683 ccw(c1701.93,700.07) 1714,688
  pour cut-out: 1723,671 1723,633.9 ccw(c1746.9,633.9) 1730,617
  pour cut-out: 1590,672 1590,621 1582.41,621 cw(c1582.41,624.41) 1580,622
  pour cut-out: 834,683 912,683 ccw(c909.59,683) 911.29,684.71 907,689
  pour cut-out: 818,674 818,620 817.24,620 cw(c817.24,630.24) 810,623
  pour cut-out: 951,663 951,620 cw(c953.41,620) 951.71,621.71 956,626
  pour cut-out: 1552,695 1544.07,687.07 cw(c1527,704.14) 1527,680 1527,658
PWR:
  rectangle net 5V: 590,670 690,850
  rectangle net 5V: 1320,850 1440,960

## Silkscreen, mask and mechanical layers (free items; w line width, h text height)
Top Overlay:
  text "9V SUPPLY" at 1221,2112 h60
  text "+" at 1268,2035 h100
  text "-" at 1439,2035 h100
  text "-" at 503,2032 h100
  text "+" at 649,2032 h100
  text "PWR" at 1548,1624 h100
  text "0.25" at 1222,965.06 h60
  text "0.5" at 1341,965.06 h60
  text "1" at 1456,965.06 h60
  text "2" at 1561,965.22 h60
  text "4" at 1660,965 h60
  text "8" at 1759,965.06 h60
  text "16" at 1846,965.06 h60
  text "0.25" at 220,960.06 h60
  text "0.5" at 339,960.06 h60
  text "1" at 454,960.06 h60
  text "2" at 559,960.22 h60
  text "4" at 658,960 h60
  text "8" at 757,960.06 h60
  text "16" at 844,960.06 h60
  text "3V3" at 685,279.28 h60
  text "P/S" at 800.17,278.81 h60
  text "SI" at 914.78,279.01 h60
  text "CLK" at 1028.17,278.92 h60
  text "LE" at 1143.94,279.03 h60
  text "3V3" at 1258.06,279.28 h60
  text "P/S" at 1373.22,278.81 h60
  text "SI" at 1487.83,279.01 h60
  text "CLK" at 1601.22,278.92 h60
  text "LE" at 1717,278 h60
  text "3V3" at 685,221.78 h60
  text "GND" at 799.17,222 h60
  text "GND" at 913.78,222 h60
  text "GND" at 1028.39,222 h60
  text "3V3" at 1143.44,221.78 h60
  text "3V3" at 1258.06,221.78 h60
  text "GND" at 1372.22,222 h60
  text "GND" at 1486.83,222 h60
  text "GND" at 1601.44,222 h60
  text "3V3" at 1716.5,221.78 h60
Top Solder:
  rectangle: 419,665 575,886
  region: 479.29,608.29 506.16,635.16 449.59,691.73 422.72,664.86
  region: 489.29,636.71 516.16,609.84 572.73,666.41 545.86,693.28
  rectangle: 1042,710 1241,906
Bottom Solder:
  rectangle: 873,1530 1194,1764
  rectangle: 374,420 584,829
  rectangle: 830,552 940,685
  rectangle: 1064,497 1252,862
  rectangle: 1593,558 1721,681
Mechanical 1:
  pour cut-out: 1552,692 1545.78,685.78 cw(c1527,704.56) 1527,678 1527,657.41 ccw(c1530.41,657.41) 1528,655 1565,655

## Text inside footprints (layer, text, board x,y; h text height)
LT3045: Top Overlay "*" at 922.48,1730.94 h60